# Altium PCB LPCB235R0.PcbDoc (part 4 of 7) (continued)
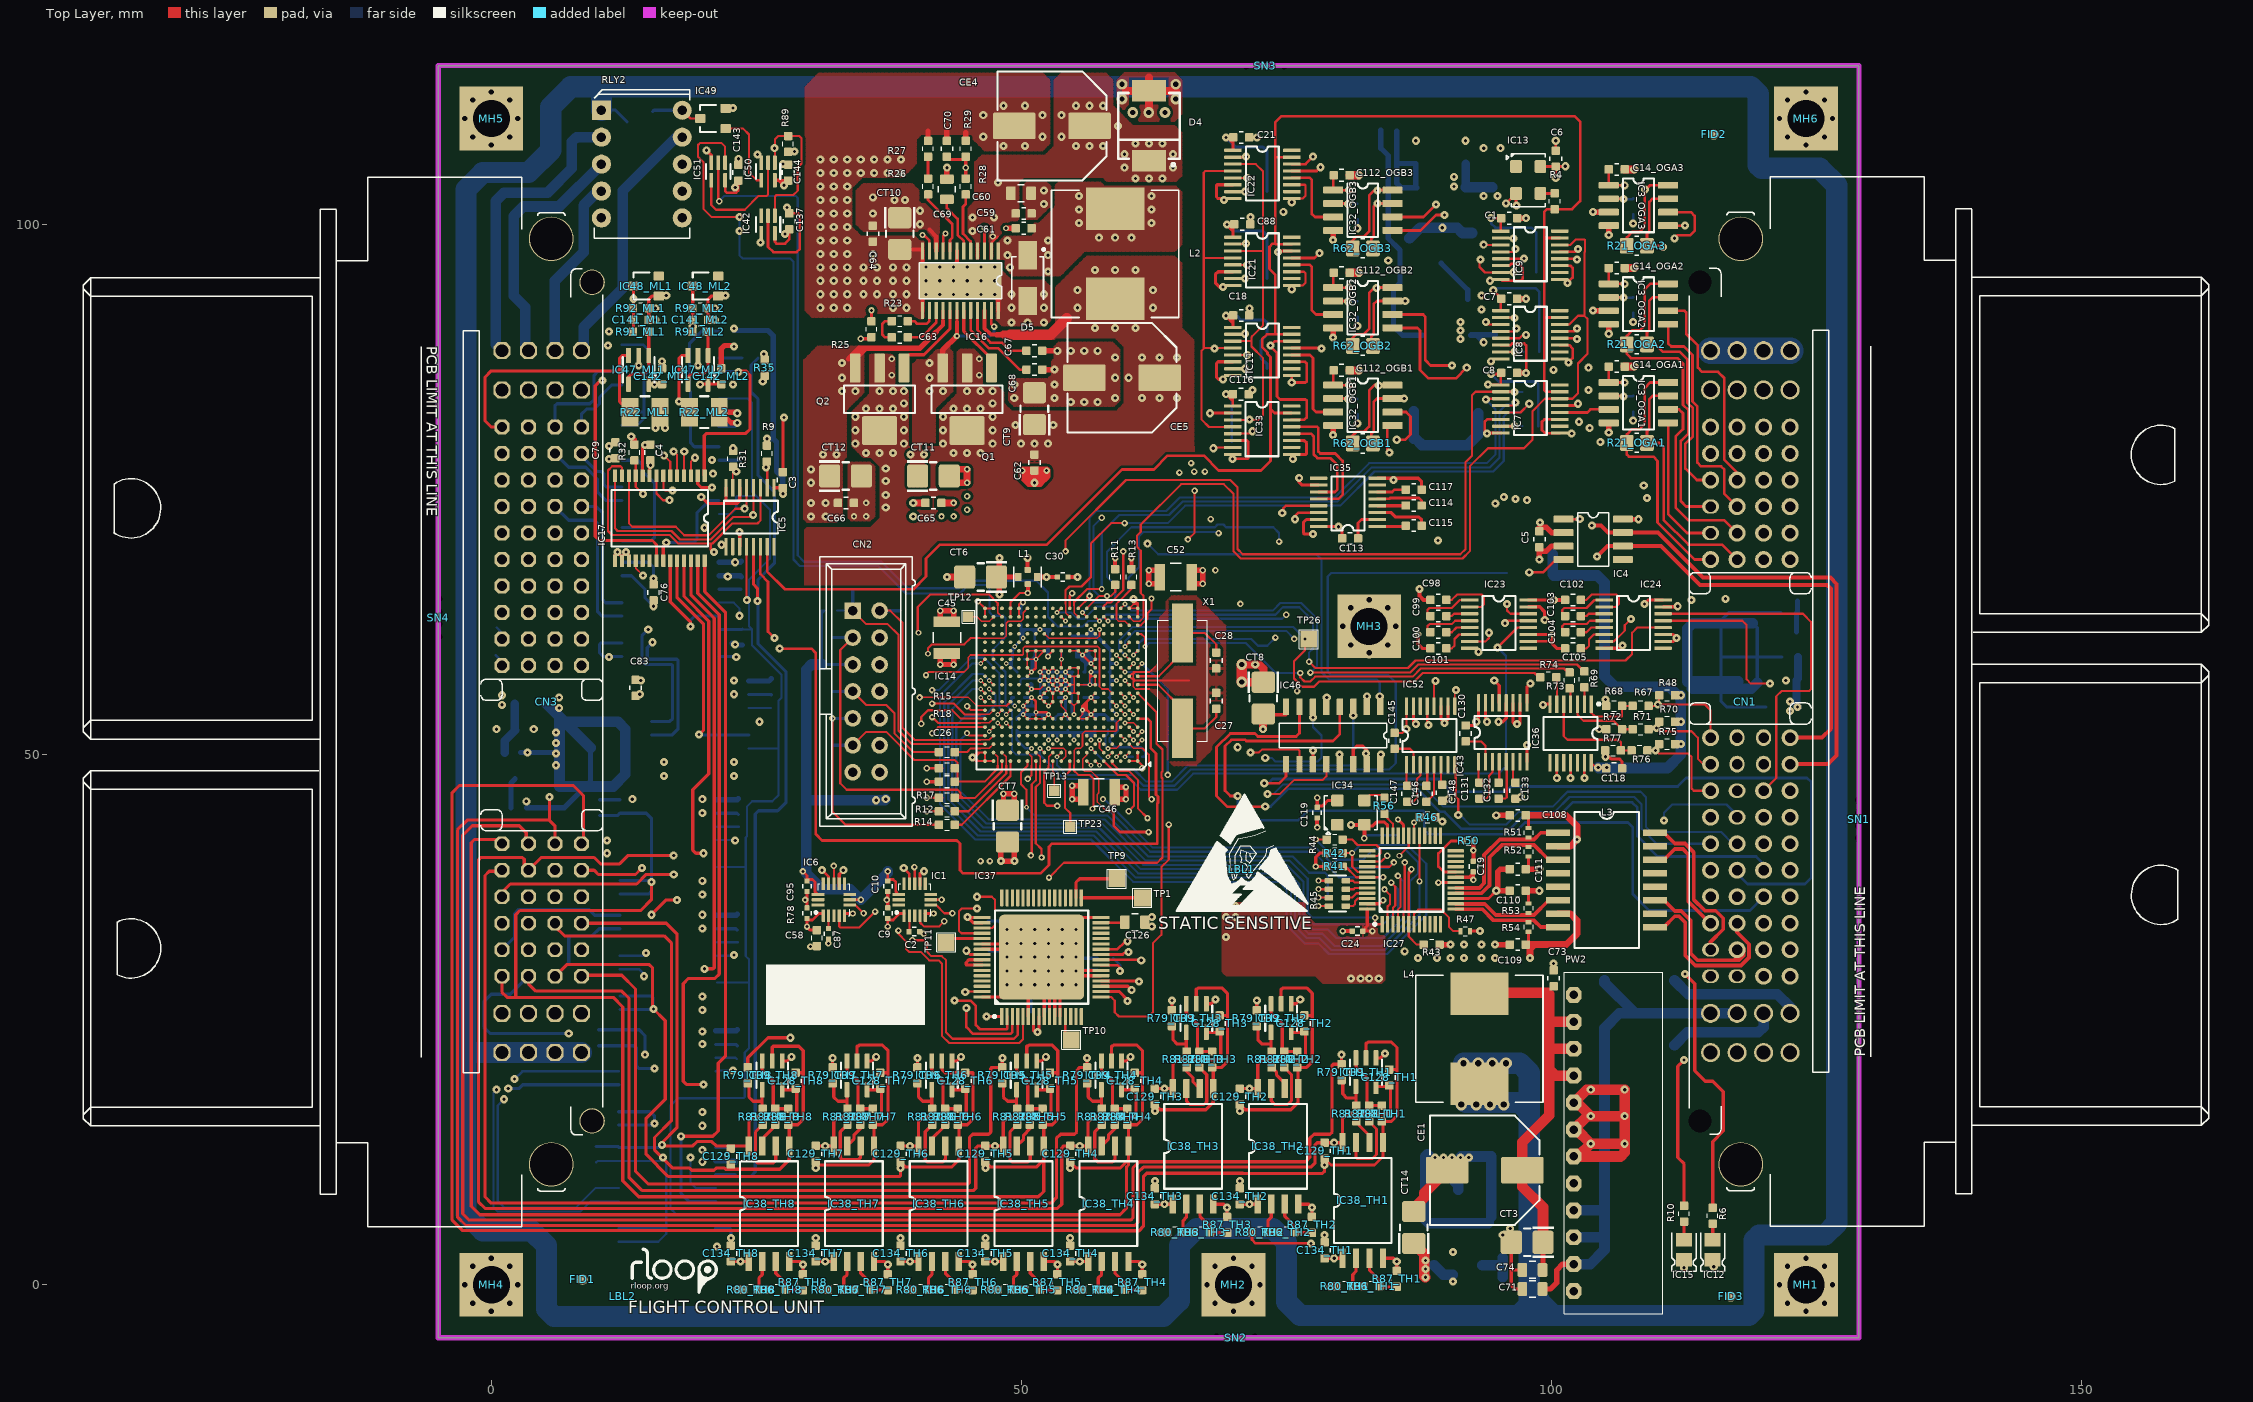
[diagram p0: Top Layer view]
## Nets (pads, with @x,y where several pads share a name; then routed paths per layer and width w, separated by ;. In a path a pad name is that pad's centre, name@x,y a point inside that pad or via, vN(x,y) a via of type N, cw(c..) or ccw(c..) an arc to the next point about the centre after c; other vN are vias at no path point) (continued)
  Bottom Layer w0.5: C139.2@2.75,50.2 v1(3.4,50.2) 6,50.2 v1(6.1,50.1) ; C138.2@3.35,45 6.9,45 8.9,47 9.359,47.459 IC45.4@9.359,50 IC45.4@9.359,50.641 ; IC40.2@21.175,11.675 22.875,11.675 C92.2@23,11.55 ; IC25.2@21.475,66.875 23.475,66.875 C23.2@23.6,66.75 ; IC18.8@21.475,81.055 22.955,81.055 v1(23.2,81.3) ; IC18.7@21.475,82.325 23.075,82.325 v1(23.2,82.2) ; v1@22.7,60.5 22.85,60.35 R30.1@23.7,60.35 ; IC2.4@89.6,96.341 92.1,93.841 C16.2@92.1,92.95
  Bottom Layer w0.508: v2(42.335,63.58) v2(43.605,63.58) ; v1(48.062,39.958) v1(49.332,39.958) ; v2(59.861,45.8) v2(59.861,46.943) ; v2(67.1,66.12) v2(67.1,67.39)
  Bottom Layer w1: CT2.2@5.2,54.8 6.55,53.45 ; IC45.4@9.359,50.641 6.9,53.1 ; 86.6,98.7 87.6,99.7 v1(89.7,99.7) 91.1,99.7 91.6,99.2 92.5,99.2 ; 87,82.4 87,79.8 87.176,79.8 87.776,79.2 92.1,79.2 93.1,80.2 93.1,82.2 ; IC20.4@91.2,8.959 91.2,9.4 88.3,12.3 88.1,12.1 88.1,6.131 88.431,5.8 94.017,5.8 94.093,5.876 ; v1(91.4,12) 91.5,12.1 94.3,12.1 94.3,6.4 ; 113.252,56.259 113.31,56.2 115.982,56.2 118.829,56.2 119.4,56.771 ; IC19.4@117.6,56.9 115.982,56.9 112.8,56.9 112.8,61.89 113.31,62.4 115.982,62.4 118.975,62.4 ; 6.55,53.45 6.9,53.1 ; 6.55,53.45 6.431,53.331 6.431,47 8.9,47 11.5,47 12.648,48.148 12.648,52.4 11.948,53.1 6.9,53.1
  other v1: 112.5,1.6 115.3,1.7 29.4,1.9 37.4,1.9 45.4,1.9 53.4,1.9 61.4,1.9 85.4,2.2 90.7,3.1 21.3,3.6 30.6,4.4 38.6,4.4 46.6,4.4 54.6,4.4 78.6,4.7 95.4,4.7 96.1,5.3 69.4,7.3 77.4,7.3 62.6,9.8 70.6,9.8 19.9,11.6 89,12 89.8,12 90.6,12 92.2,12 19.9,15 19.9,16.3 19.9,22.7 19.9,25.9 19.9,27.2 100.2,30.3 87.42,30.814 89.198,30.814 90.468,30.814 91.738,30.814 93.389,30.814 94.659,30.814 86.15,31.449 91.738,32.084 93.389,32.084 19.9,33.6 62.3,33.8 62.3,34.7 19.9,36.8 19.9,38.1 40.8,39 19.9,44.5 3.3,45.6 90.3,45.8 97.1,46 22.9,48 6.1,49 22.9,49.3 82.5,50.1 6.1,51.1 6.1,52.1 104.5,52.4 96.75,52.9 6.4,54.4 105.1,55.2 6.4,55.4 78.8,55.4 82.6,55.5 22.9,55.7 93.1,59.7 23,60.4 111.9,64 22.3,66.8 21.7,69.8 20.1,71.4 98.9,71.9 51.225,75.645 85.1,75.9 76.2,76.1 20.8,77.8 75.6,77.9 101.9,80.3 15.5,80.8 16.4,80.8 54.654,83.265 55.924,83.265 57.194,83.265 49.32,83.646 53.13,83.646 58.845,83.646 71.8,84.4 49.32,84.916 53.13,84.916 58.845,85.551 13.9,86.7 19.5,86.7 16.1,87.1 94.3,87.1 58.845,87.456 54.654,88.091 55.924,88.091 57.194,88.091 22.9,88.5 49.066,90.758 50.59,90.758 52.114,90.758 15.5,91 21.1,91 93.4,92 15.5,92.1 21.1,92.1 71.5,92.1 31.032,92.155 32.302,92.155 33.572,92.155 37.89,92.155 39.16,92.155 49.066,92.155 52.114,92.155 16.5,93.3 22.1,93.3 93.4,93.3 31.032,93.425 32.302,93.425 33.572,93.425 35.096,93.425 36.366,93.425 37.89,93.425 39.16,93.425 49.066,93.425 52.114,93.425 75.5,93.9 31.032,94.695 32.302,94.695 33.572,94.695 35.096,94.695 36.366,94.695 37.89,94.695 39.16,94.695 94.2,94.7 31.032,95.965 32.302,95.965 33.572,95.965 35.096,95.965 36.366,95.965 37.89,95.965 39.16,95.965 31.032,97.235 32.302,97.235 33.572,97.235 35.985,97.235 31.032,98.505 32.302,98.505 33.572,98.505 31.032,99.775 32.302,99.775 33.572,99.775 71.6,100.7 31.032,101.045 32.302,101.045 33.572,101.045 27.9,101.6 52.114,101.934 75.5,102.1 69.1,102.3 31.032,102.315 32.302,102.315 33.572,102.315 52.114,103.204 31.032,103.585 32.302,103.585 33.572,103.585 31.032,104.855 32.302,104.855 33.572,104.855 34.842,104.855 36.112,104.855 37.382,104.855 38.652,104.855 27.5,105.7 31.032,106.125 32.302,106.125 33.572,106.125 34.842,106.125 36.112,106.125 37.382,106.125 38.652,106.125 23.3,106.2 25.1,106.6 93.6,107.2 95.2,107.2 48.304,107.395 50.336,107.395 87.2,107.9 91.9,107.9 46.399,108.284 51.987,108.284 46.399,110.316 51.987,110.316 22.8,111 48.304,111.205 50.336,111.205
  other v2: 31.8,32.2 40.8,33.1 29.6,36.3 37.3,36.3 34.207,72.47 35.35,72.47 42.462,72.47 43.605,72.47 44.875,73.105 35.35,73.74 44.875,74.375
  other v5: 48.65,28.3 49.95,28.3 53.85,28.3 55.15,28.3 48.65,29.6 49.95,29.6 51.25,29.6 52.55,29.6 53.85,29.6 48.65,30.9 49.95,30.9 51.25,30.9 52.55,30.9 53.85,30.9 49.95,32.2 51.25,32.2 52.55,32.2 53.85,32.2 55.15,32.2 49.95,33.5 51.25,33.5 52.55,33.5 53.85,33.5 55.15,33.5
  other v7: 40.99,93.395 42.29,93.395 43.59,93.395 44.89,93.395 46.19,93.395 47.49,93.395 40.99,94.695 42.29,94.695 43.59,94.695 44.89,94.695 46.19,94.695 47.49,94.695 40.99,95.995 42.29,95.995 43.59,95.995 44.89,95.995 46.19,95.995 47.49,95.995
ETHERNET_RX_N: CN1.3H_B L3.9 | length 17.1
  Top Layer w0.356: L3.9@109.775,33.735 110.61,33.735 111.626,34.751 112.025,34.751 112.617,34.16 112.617,31.043 113.557,30.103 117.882,30.103 118.637,30.858 118.637,32.109 117.5,33.246 CN1.3H_B@117.5,34.1
ETHERNET_RX_P: CN1.3J_B L3.11 | length 14.6
  Top Layer w0.356: L3.11@109.775,36.275 110.61,36.275 111.626,35.259 112.236,35.259 113.125,34.37 113.125,31.253 113.767,30.611 117.671,30.611 118.103,31.043 118.103,31.703 CN1.3J_B@117.976,31.83 ; 117.189,30.611 117.5,30.922 CN1.3J_B@117.5,31.6
ETHERNET_TX_N: CN1.4H_B L3.14 | length 11.1
  Top Layer w0.356: L3.14@109.775,40.085 110.61,40.085 111.626,41.101 112.388,41.101 112.896,40.593 112.896,36.141 CN1.4H_B@114.968,34.068
ETHERNET_TX_P: CN1.4J_B L3.16 | length 15.8
  Top Layer w0.356: L3.16@109.775,42.625 110.61,42.625 111.626,41.609 112.599,41.609 113.404,40.803 113.404,36.351 114.471,35.284 115.487,35.284 116.198,34.573 116.198,33.532 115,32.334 CN1.4J_B@115,31.6
FRONT_SIG_Q2: IC36.5 R76.2 R77.2 | length 10.4
  Top Layer w0.203: IC36.5@101.15,54.775 101.15,51.75 101.5,51.4 106.3,51.4 106.55,51.15 R77.2@106.55,50.4 R76.2@107.55,50.4
G1_DIR_OUT: CN3.4B_B
G1_STEP_OUT: CN3.4A_B
G2_DIR_OUT: CN3.4D_B
G2_STEP_OUT: CN3.4C_B
G3_DIR_OUT: CN3.4F_B
G3_STEP_OUT: CN3.4E_B
G4_DIR_OUT: CN3.3B_B
G4_STEP_OUT: CN3.3A_B
HE_THROTTLE1: IC37.26 R80_TH1.2 | length 65.4
  Top Layer w0.25: IC37.26@57.5,31.65 59.05,31.65 59.7,32.3 v1@60.1,32.3
  MidLayer2 w0.25: v1(60,32.4) 63.7,32.4 64.4,31.7 64.4,30.3 64.7,30 78.9,30 79.3,29.6 79.3,24.5 79.8,24 85.3,24 85.6,23.7 85.6,19.7 85.4,19.5 81.1,19.5 80.5,18.9 80.5,16.4 80.5,0.5 79.8,-0.2 v1(79.1,-0.2)
HE_THROTTLE2: IC37.25 R80_TH2.2 | length 53.5
  Top Layer w0.25: IC37.25@57.5,31.15 59.55,31.15 v1@59.9,31.5 ; R80_TH2.2@71.745,4.95 71.745,4.255 72.1,3.9 v1(77.3,3.9)
  MidLayer2 w0.25: v1@59.9,31.5 63.8,31.5 63.972,31.328 63.972,29.728 64.128,29.572 72.928,29.572 73.4,29.1 73.4,25.8 72.6,25 72.6,5.8 73.4,5 76.2,5 v1(77.3,3.9)
  other v1: 60.1,31.4
HE_THROTTLE3: IC37.24 R80_TH3.2 | length 34.1
  Top Layer w0.25: IC37.24@57.5,30.65 v1@61.3,30.65
  MidLayer2 w0.25: v1@61.3,30.65 63.25,30.65 63.5,30.4 63.5,29.45 64.25,28.7 64.7,28.7 65.1,28.3 65.1,5.7 64.3,4.9 v1(63.1,4.9)
  other v1: 61.3,30.6
HE_THROTTLE4: IC37.20 R80_TH4.2 | length 40.9
  Top Layer w0.3: IC37.20@57.5,28.65 60.85,28.65 v1@61.1,28.4
  MidLayer2 w0.25: v1(55.1,-0.5) 61.7,-0.5 62.5,0.3 62.5,3.2 61.7,4 61.7,19.1 62.7,20.1 62.7,26.8 v1@61.1,28.4
  other v1: 61.1,28.6
HE_THROTTLE5: IC37.19 R80_TH5.2 | length 45.4
  Top Layer w0.3: IC37.19@57.5,28.15 60.05,28.15 v1@60.5,27.7
  MidLayer2 w0.25: v1(47.1,-0.4) 48,0.5 59.9,0.5 60.3,0.9 60.3,18.8 62.2,20.7 62.2,26 v1(60.4,27.8)
HE_THROTTLE6: IC37.18 R80_TH6.2 | length 51.5
  Top Layer w0.3: IC37.18@57.5,27.65 59.25,27.65 60,26.9 v1@60,26.6
  MidLayer2 w0.25: v1(39.2,-0.4) 39.2,0.2 39.5,0.5 46.8,0.5 47.3,1 59.272,1 59.872,1.6 59.872,19.272 61.6,21 61.6,25.15 v1(60,26.75)
HE_THROTTLE7: IC37.51 R80_TH7.2 | length 83.7
  Top Layer w0.203: v1(45.8,36.6) 47.2,36.6 47.5,36.3 47.5,33.9 47.25,33.65 IC37.51@46.3,33.65
  MidLayer2 w0.203: v1(31.1,-0.4) 31.1,0.2 31.4,0.5 38.4,0.5 38.9,1 46.1,1 46.5,1.4 46.5,2.9 46.7,3.1 58.8,3.1 59.2,3.5 59.2,25.6 58.3,26.5 58.3,36.8 57.4,37.7 46.5,37.7 45.8,37 v1(45.8,36.6)
HE_THROTTLE8: IC37.52 R80_TH8.2 | length 91.1
  Top Layer w0.203: v1(45.8,35.5) 44.4,35.5 44.1,35.2 44.1,33.4 44.35,33.15 IC37.52@46.3,33.15
  MidLayer2 w0.203: v1(23.2,-0.4) 23.2,0 23.4,0.2 29.8,0.2 30.6,1 38.2,1 38.5,1.3 38.5,2.8 38.8,3.1 45.5,3.1 46,3.6 58.3,3.6 58.819,4.119 58.819,25.381 57.8,26.4 57.8,36.5 57.1,37.2 46.9,37.2 46.7,37 46.7,35.7 46.5,35.5 v1(45.8,35.5)
HEC1_RS485_A: CN3.4K_B IC18.12 | length 6.5
  Bottom Layer w0.3: CN3.4K_B@8.5,80.9 8.5,82.1 9,82.6 9.7,82.6 10.2,83.1 10.2,83.7 11.365,84.865 IC18.12@12.325,84.865
HEC1_RS485_B: CN3.3K_B IC18.13 | length 11
  Bottom Layer w0.3: CN3.3K_B@6,80.9 6,82.9 6.2,83.1 9.3,83.1 9.7,83.5 9.7,85.8 10.035,86.135 IC18.13@12.325,86.135
HEC2_RS485_A: CN3.3J_B IC26.12 | length 8.9
  Bottom Layer w0.3: CN3.3J_B@6,78.4 7.3,77.1 8.9,77.1 10,76 10,74.8 10.835,73.965 IC26.12@12.325,73.965
HEC2_RS485_B: CN3.4J_B IC26.13 | length 5.8
  Bottom Layer w0.3: CN3.4J_B@8.5,78.4 8.5,78.2 10,76.7 10.4,76.7 10.6,76.5 10.6,75.5 10.865,75.235 IC26.13@12.325,75.235
HEC3_RS485_A: CN3.3G_B IC25.12 | length 15.5
  Bottom Layer w0.3: CN3.3G_B@6,73.4 7.3,72.1 9.7,72.1 10.022,71.778 10.022,63.478 10.435,63.065 IC25.12@12.325,63.065
HEC3_RS485_B: CN3.4G_B IC25.13 | length 12.4
  Bottom Layer w0.3: CN3.4G_B@8.5,73.4 9.9,73.4 10.5,72.8 10.5,64.6 10.765,64.335 IC25.13@12.325,64.335
HEC4_RS485_A: CN3.3H_B IC28.12 | length 36.9
  MidLayer2 w0.3: CN3.3H_B@5.9,75.8 7.1,74.6 9.6,74.6 9.8,74.4 9.8,61.8 10.391,61.209 13.391,61.209 14,60.6 v1(15.2,60.6)
  Bottom Layer w0.3: IC28.12@15.125,51.865 17.065,51.865 17.6,52.4 17.6,58.9 17.5,59 14.9,59 14.7,59.2 14.7,60.1 v1(15.2,60.6) v1@15.3,60.7
HEC4_RS485_B: CN3.4H_B IC28.13 | length 33.2
  MidLayer2 w0.3: CN3.4H_B@8.5,75.9 10,75.9 10.4,75.5 10.4,62.4 11,61.8 v1(14.8,61.8)
  Bottom Layer w0.3: v1(14.8,61.8) 14.2,61.2 14.2,58.8 14.5,58.5 17,58.5 17.1,58.4 17.1,53.4 16.835,53.135 IC28.13@15.125,53.135
HEC5_RS485_A: CN3.1F_B IC29.12 | length 48.3
  MidLayer2 w0.25: CN3.1F_B@1,70.9 -0.1,70.9 -0.8,70.2 -0.8,38.2 -0.5,37.9 10.2,37.9 10.7,38.4 10.7,40.5 v1(10.9,40.7)
HEC5_RS485_B: CN3.2F_B IC29.13 | length 45.8
  MidLayer2 w0.25: CN3.2F_B@3.5,70.9 3.5,70.6 2.6,69.7 0,69.7 -0.3,69.4 -0.3,40.8 0.1,40.4 9.7,40.4 9.8,40.5 9.8,41.5 10.2,41.9 v1(10.9,41.9)
HEC6_RS485_A: CN3.1G_B IC31.12 | length 68.1
  MidLayer2 w0.25: CN3.1G_B@1,73.5 -1.5,73.5 -1.9,73.1 -1.9,27.9 -1.5,27.5 12.3,27.5 13.9,29.1 v1(14.4,29.1)
  Bottom Layer w0.25: IC31.12@12.125,29.765 13.935,29.765 14.4,29.3 v1(14.4,29.1)
HEC6_RS485_B: CN3.2G_B IC31.13 | length 65.9
  MidLayer2 w0.25: CN3.2G_B@3.55,73.35 2.3,72.1 -0.9,72.1 -1.4,71.6 -1.4,30.4 -1.3,30.3 11.6,30.3 12.6,31.3 v1(14.6,31.3)
  Bottom Layer w0.25: IC31.13@12.125,31.035 14.335,31.035 v1(14.6,31.3)
HEC7_RS485_A: CN3.1H_B IC30.12 | length 75.6
  MidLayer2 w0.25: CN3.1H_B@1,76 -2.2,76 -3,75.2 -3,19.6 -2.6,19.2 0.9,19.2 v1(1.6,18.5)
  Bottom Layer w0.3: v1(1.6,18.5) 2.6,18.5 2.965,18.865 IC30.12@12.025,18.865
HEC7_RS485_B: CN3.2H_B IC30.13 | length 76.2
  MidLayer2 w0.25: v1(2.2,19.4) 1.9,19.4 1.5,19.8 -2.2,19.8 -2.5,20.1 -2.5,74.4 -2.2,74.7 2.3,74.7 CN3.2H_B@3.5,75.9
  Bottom Layer w0.25: v1@2.1,19.3 v1(2.2,19.4) 2.935,20.135 IC30.13@12.025,20.135
HEC8_RS485_A: CN3.2J_B IC40.12 | length 93.5
  MidLayer2 w0.203: v1(0.5,18.4) -2.9,18.4 -3.6,19.1 -3.6,76.8 -3.2,77.2 2.3,77.2 CN3.2J_B@3.5,78.4
  Bottom Layer w0.203: v1(0.5,18.4) 0.2,18.1 0.2,7.3 0.6,6.9 8.4,6.9 9.365,7.865 IC40.12@12.025,7.865
HEC8_RS485_B: CN3.1J_B IC40.13 | length 92.7
  MidLayer2 w0.203: CN3.1J_B@1,78.3 -3.5,78.3 -4,77.8 -4,18 -3.5,17.5 v1(1.2,17.5)
  Bottom Layer w0.203: v1(1.2,17.5) 0.6,16.9 0.6,7.9 1.2,7.3 8,7.3 9.835,9.135 IC40.13@12.025,9.135
HEC_5V1: C75.1 C128_TH1.1 C129_TH1.1 CN3.2A_A IC18.16 IC38_TH1.8 IC39_TH1.5 | length 218.8
  Top Layer w0.3: v1(5.5,46) 5.478,45.978 5.478,43.822 ; CN3.2A_A@6,41.6 6,43.3 5.478,43.822 ; IC39_TH1.5@83.445,18.7 84.595,18.7 C128_TH1.1@84.695,18.8 84.8,18.695 84.8,16.3 ; 84.8,17.2 84.8,16.3 ; 5.478,43.822 -2.278,43.822 -3.2,42.9 -3.2,6.4 -2.387,5.587 55.092,5.587 55.1,5.578 60.678,5.578 61,5.9 61,10.6 61.5,11.1 77.3,11.1 77.7,11.5 77.7,13.2 77.9,13.4 C129_TH1.1@78.595,13.4 v1(79.5,13.4) IC38_TH1.8@80.29,13.4 80.29,15.69 80.728,16.128 84.628,16.128 84.8,16.3
  MidLayer1 w0.25: v1(5.5,46) 5.1,46.4 -2.7,46.4 -3.7,47.4 -3.7,81.7 -3.1,82.3 2.2,82.3 2.7,82.8 9.5,82.8 9.816,83.116 9.816,89.516 10.2,89.9 v1(11.1,89.9)
HEC_5V2: C79.1 C128_TH2.1 C129_TH2.1 CN3.2B_A IC26.16 IC38_TH2.8 IC39_TH2.5 | length 224.7
  Top Layer w0.3: C129_TH2.1@70.595,18.5 v1(71.5,18.5) IC38_TH2.8@72.29,18.5 72.29,20.79 72.728,21.228 76.628,21.228 76.8,21.4 ; IC39_TH2.5@75.445,23.8 76.595,23.8 C128_TH2.1@76.695,23.9 76.8,23.795 76.8,21.4 ; 76.8,22.3 76.8,21.4
  MidLayer1 w0.3: CN3.2B_A@6,39.1 6,38.9 7.1,37.8 9.2,37.8 10,38.6 10,46.5 8.8,47.7 -2.3,47.7 -2.7,48.1 -2.7,76.7 -2.2,77.2 1.9,77.2 2.2,77.5 2.2,79 2.9,79.7 9.6,79.7 10.2,79.1 v1(11.1,79.1) ; CN3.2B_A@6.3,39.2 4.7,40.8 4.7,42.9 3.978,43.622 -2.078,43.622 -3.1,42.6 -3.1,6.3 -2.4,5.6 60.6,5.6 61.3,6.3 71.8,6.3 72.4,6.9 72.4,10.1 71.8,10.7 70.582,10.7 69.891,11.391 69.891,17.991 70.4,18.5 v1(71.5,18.5)
HEC_5V3: C76.1 C128_TH3.1 C129_TH3.1 CN3.4C_A IC25.16 IC38_TH3.8 IC39_TH3.5 | length 171.2
  Top Layer w0.3: CN3.4C_A@1,36.6 1,37 1.8,37.8 13.702,37.8 14.611,38.709 v1(17.209,38.709) v1@17.3,38.8 ; C129_TH3.1@62.595,18.5 v1(63.5,18.5) IC38_TH3.8@64.29,18.5 64.29,20.79 64.728,21.228 68.628,21.228 68.8,21.4 ; IC39_TH3.5@67.445,23.8 68.595,23.8 C128_TH3.1@68.695,23.9 68.8,23.795 68.8,21.4 ; 68.8,22.3 68.8,21.4
  MidLayer1 w0.3: CN3.4C_A@1,36.6 -0.5,36.6 -1.3,35.8 -1.3,7.8 -0.7,7.2 59.5,7.2 61.8,9.5 61.8,18.1 62.2,18.5 v1(63.5,18.5)
  MidLayer2 w0.3: v1(15.3,66.6) 15.3,65.8 16.1,65 16.1,62.7 16.9,61.9 16.9,59.6 18.8,57.7 18.8,39.2 18.309,38.709 v1(17.209,38.709)
  Bottom Layer w0.3: IC25.16@12.325,68.145 14.855,68.145 15.3,67.7 v1(15.3,66.6)
HEC_5V4: C83.1 C128_TH4.1 C129_TH4.1 CN3.3B_A IC28.16 IC38_TH4.8 IC39_TH4.5 | length 148.1
  Top Layer w0.3: v1(17.2,40.5) 12.9,40.5 12.1,39.7 10.3,39.7 9.7,40.3 4.7,40.3 CN3.3B_A@3.5,39.1 3.1,39.5 3.1,40.128 2.928,40.3 -1,40.3 -1.2,40.1 -1.2,7.8 -0.6,7.2 53.4,7.2 53.8,7.6 53.8,12.9 54,13.1 C129_TH4.1@54.595,13.1 v1(55.5,13.1) IC38_TH4.8@56.29,13.1 56.29,15.39 56.728,15.828 60.628,15.828 60.8,16 ; IC39_TH4.5@59.445,18.4 60.595,18.4 C128_TH4.1@60.695,18.5 60.8,18.395 60.8,16 ; 60.8,16.9 60.8,16
  MidLayer2 w0.3: v1(14.1,57) 17.2,57 17.7,56.5 17.7,41 v1(17.2,40.5) 17.1,40.4 v1@17,40.4
HEC_5V5: C86.1 C128_TH5.1 C129_TH5.1 CN3.3F_A IC29.16 IC38_TH5.8 IC39_TH5.5 | length 130.2
  Top Layer w0.3: CN3.3F_A@3.5,29.1 3.5,28.4 4.2,27.7 12.3,27.7 13,27 13,10.1 14.2,8.9 45.5,8.9 45.7,9.1 45.7,12.9 45.9,13.1 C129_TH5.1@46.595,13.1 v1(47.5,13.1) IC38_TH5.8@48.29,13.1 48.29,15.39 48.728,15.828 52.628,15.828 52.8,16 ; IC39_TH5.5@51.445,18.4 52.595,18.4 C128_TH5.1@52.695,18.5 52.8,18.395 52.8,16 ; 52.8,16.9 52.8,16
  MidLayer2 w0.3: v1(7.3,23.7) 15.8,23.7 16.1,24 16.1,36.8 15.809,37.091 15.809,39.509 16.1,39.8 16.1,45.2 15.5,45.8 v1@13.5,45.8
  Bottom Layer w0.3: CN3.3F_A@3.5,29.1 1.8,27.4 0,27.4 -0.7,26.7 -0.7,24.3 -0.1,23.7 v1(7.3,23.7) ; C86.1@10.2,45.75 12.12,45.75 IC29.16@12.125,45.745
  other v1: 13.3,45.8
HEC_5V6: C93.1 C128_TH6.1 C129_TH6.1 CN3.4E_A IC31.16 IC38_TH6.8 IC39_TH6.5 | length 92.3
  Top Layer w0.3: C129_TH6.1@38.595,13.1 v1(39.5,13.1) IC38_TH6.8@40.29,13.1 40.29,15.39 40.728,15.828 44.628,15.828 44.8,16 ; IC39_TH6.5@43.445,18.4 44.595,18.4 C128_TH6.1@44.695,18.5 44.8,18.395 44.8,16 ; 44.8,16.9 44.8,16
  MidLayer1 w0.3: CN3.4E_A@1,31.6 1,30.872 1.572,30.3 1.9,30.3 2.3,29.9 2.3,27.7 2.9,27.1 10.6,27.1 11.7,26 11.7,9.3 12.6,8.4 39.4,8.4 39.9,8.9 39.9,11.2 39.5,11.6 v1(39.5,13.1)
  Bottom Layer w0.3: CN3.4E_A@1,31.6 2.2,32.8 2.2,35 2.6,35.4 9.2,35.4 9.755,34.845 IC31.16@12.125,34.845
HEC_5V7: C90.1 C128_TH7.1 C129_TH7.1 CN3.1E_A IC30.16 IC38_TH7.8 IC39_TH7.5 | length 67
  Top Layer w0.3: C129_TH7.1@30.595,13.1 v1(31.5,13.1) IC38_TH7.8@32.29,13.1 32.29,15.39 32.728,15.828 36.628,15.828 36.8,16 ; IC39_TH7.5@35.445,18.4 36.595,18.4 C128_TH7.1@36.695,18.5 36.8,18.395 36.8,16 ; 36.8,16.9 36.8,16
  MidLayer1 w0.3: CN3.1E_A@8.5,31.4 11.8,31.4 13.5,29.7 13.5,21.7 ; v1(14.5,21.7) 13.5,21.7 ; v1(31.5,13.1) 31.5,12 31.7,11.8 31.7,10.4 31.4,10.1 14,10.1 13.5,10.6 13.5,21.7
  Bottom Layer w0.3: C90.1@10.1,24.05 13.95,24.05 14.5,23.5 v1(14.5,21.7)
HEC_5V8: C94.1 C128_TH8.1 C129_TH8.1 CN3.1D_A IC38_TH8.8 IC39_TH8.5 IC40.16 | length 57.2
  Top Layer w0.3: CN3.1D_A@8.3,34.1 16.5,34.1 17.5,33.1 17.5,14.8 16,13.3 16,13.1 19,13.1 19.4,13.5 20.8,13.5 21.2,13.1 ; 21.4,13.1 21.2,13.1 ; IC39_TH8.5@27.445,18.4 28.595,18.4 C128_TH8.1@28.695,18.5 28.8,18.395 28.8,16 ; 28.8,16.9 28.8,16 ; 21.2,13.1 IC38_TH8.8@24.29,13.1 24.29,15.39 24.728,15.828 28.628,15.828 28.8,16
  Bottom Layer w0.3: C94.1@9.9,13.05 11.92,13.05 IC40.16@12.025,12.945 15.845,12.945 v1(16.1,13.2)
HEC_DE1: IC17.21 IC18.5 | length 35.4
  Top Layer w0.3: v1@10.3,85.3 9.8,84.8 9.8,70.6 10.2,70.2 15.2,70.2 15.575,69.825 IC17.21@15.575,68.3
  MidLayer2 w0.3: v1(10.5,85.3) 13.2,85.3 13.7,85.8 21.5,85.8 22.4,84.9 v1(22.8,84.9)
HEC_DE2: IC17.22 IC26.5 | length 10.1
  Top Layer w0.3: IC17.22@16.225,68.3 16.225,69.625 v1@16.7,70.1
  Bottom Layer w0.3: v1(16.5,70) 19.1,70 19.391,70.291 19.391,72.791 20.565,73.965 IC26.5@21.475,73.965
HEC_DE3: IC17.23 IC25.5 | length 10.4
  Top Layer w0.3: IC17.23@16.875,68.3 16.875,64.425 18.8,62.5 v1(18.8,62.1)
  Bottom Layer w0.3: v1(18.8,62.1) 18.8,62.7 19.165,63.065 IC25.5@21.475,63.065
HEC_DE4: IC17.24 IC28.5 | length 22.3
  Top Layer w0.3: IC17.24@17.525,68.3 17.525,64.797 20.022,62.3 20.022,52.322 v1(19.6,51.9)
  Bottom Layer w0.3: v1(19.6,51.9) 19.635,51.865 IC28.5@24.275,51.865
HEC_DE5: IC17.25 IC29.5 | length 30
  Top Layer w0.3: IC17.25@18.175,68.3 18.175,64.925 20.5,62.6 20.5,48.2 19,46.7 19,41 19.3,40.7 v1(20,40.7)
HEC_DE6: IC17.26 IC31.5 | length 40.3
  Top Layer w0.3: IC17.26@18.825,68.3 18.825,65.075 21.022,62.878 21.022,29.9 20.922,29.8 v1(20.1,29.8)
HEC_DE7: IC17.27 IC30.5 | length 54.8
  Top Layer w0.3: IC17.27@19.475,68.3 19.475,65.225 21.5,63.2 21.5,29.3 21.1,28.9 18.6,28.9 18.1,28.4 18.1,19.2 18.4,18.9 v1(20,18.9)
HEC_DE8: IC17.28 IC40.5 | length 67.9
  Top Layer w0.3: v1(17.9,14) 20.9,14 21.4,14.5 21.4,20.9 22.1,21.6 ; IC17.28@20.125,68.3 20.125,65.375 22.1,63.4 22.1,21.6 ; 22.1,21.9 22.1,21.6
  Bottom Layer w0.3: v1(17.9,14) 17.9,8.6 18.635,7.865 IC40.5@21.175,7.865
HEC_GND1: C75.2 C128_TH1.2 C129_TH1.2 CN3.1A_A IC18.9 IC18.10 IC18.15 IC38_TH1.5 IC39_TH1.2 R88_TH1.1 | length 254.2
  Top Layer w0.3: CN3.1A_A@8.5,41.6 8.7,41.8 8.7,43.4 8.7,46.1 7.7,47.1 -3,47.1 -3.7,46.4 -3.7,43.4 -3.7,6.1 -2.709,5.109 54.894,5.109 54.902,5.1 61.1,5.1 61.5,5.5 61.5,10.2 61.809,10.509 70.894,10.509 70.902,10.5 78.4,10.5 78.6,10.7 v1(78.6,11.3) ; C129_TH1.2@78.595,11.9 79.195,11.3 83.3,11.3 84.1,12.1 IC38_TH1.5@84.1,13.4 84.1,15.295 R88_TH1.1@83.995,15.4 84.9,15.4 85.423,15.923 85.423,20.3 ; IC39_TH1.2@82.495,21.4 82.495,22.795 82.595,22.795 82.7,22.9 84.9,22.9 85.423,22.377 85.423,20.3 ; C128_TH1.2@84.695,20.3 85.423,20.3
  MidLayer1 w0.25: CN3.1A_A@8.5,41.6 8.5,46.2 7.6,47.1 -2.5,47.1 -3.2,47.8 -3.2,79.2 -2.7,79.7 1.9,79.7 2.3,80.1 2.3,81.6 2.9,82.2 10.7,82.2 11.3,82.8 11.3,87.6
  MidLayer1 w0.3: v1(11,88.6) 11,87.9 11.3,87.6
  Bottom Layer w0.25: IC18.9@12.325,81.055 13.755,81.055 14.4,81.7 14.4,82.4 ; IC18.10@12.325,82.325 14.325,82.325 14.4,82.4 ; IC18.15@12.325,88.675 14.325,88.675 14.8,88.2 14.8,86.1 14.4,85.7 14.4,82.4
HEC_GND2: C79.2 C128_TH2.2 C129_TH2.2 CN3.1B_A IC26.9 IC26.10 IC26.15 IC38_TH2.5 IC39_TH2.2 R88_TH2.1 | length 245
  Top Layer w0.3: CN3.1B_A@8.5,39.1 9.7,39.1 10.1,38.7 13.6,38.7 v1(14.2,39.3) ; C129_TH2.2@70.595,17 71.095,16.5 75.4,16.5 76.1,17.2 IC38_TH2.5@76.1,18.5 76.1,20.395 R88_TH2.1@75.995,20.5 76.9,20.5 77.423,21.023 77.423,25.4 ; IC39_TH2.2@74.495,26.5 74.495,27.895 74.595,27.895 74.7,28 76.9,28 77.423,27.477 77.423,25.4 ; C128_TH2.2@76.695,25.4 77.423,25.4
  MidLayer1 w0.3: CN3.1B_A@8.5,39.1 8.5,39.6 7.3,40.8 7.3,43.7 6.9,44.1 -2.8,44.1 -3.6,43.3 -3.6,6 -2.709,5.109 54.894,5.109 54.902,5.1 61.1,5.1 61.8,5.8 72.2,5.8 73,6.6 73,10.5 72.1,11.4 71.1,11.4 70.6,11.9 v1(70.6,16.4) ; v1(11.1,77.9) 10.8,77.9 10,77.1 2.9,77.1 2.3,76.5 2.3,56.7 2.5,56.5 10.6,56.5 11.609,55.491 11.609,39.391 11.7,39.3 v1@14.1,39.3
  Bottom Layer w0.3: IC26.9@12.325,70.155 15.055,70.155 15.4,70.5 15.4,71.4 ; IC26.10@12.325,71.425 15.375,71.425 15.4,71.4 ; IC26.15@12.325,77.775 13.825,77.775 14.2,77.4 14.2,76.8 15.4,75.6 15.4,71.4
HEC_GND3: C76.2 C128_TH3.2 C129_TH3.2 CN3.3C_A IC25.9 IC25.10 IC25.15 IC38_TH3.5 IC39_TH3.2 R88_TH3.1 | length 199.7
  Top Layer w0.3: v1(15.1,34.9) 16.5,36.3 v1(17.5,36.3) ; C129_TH3.2@62.595,17 63.095,16.5 67.4,16.5 68.1,17.2 IC38_TH3.5@68.1,18.5 68.1,20.395 R88_TH3.1@67.995,20.5 68.9,20.5 69.423,21.023 69.423,25.4 ; IC39_TH3.2@66.495,26.5 66.495,27.895 66.595,27.895 66.7,28 68.9,28 69.423,27.477 69.423,25.4 ; C128_TH3.2@68.695,25.4 69.423,25.4
  MidLayer1 w0.3: CN3.3C_A@3.4,36.4 3.4,37.3 2.7,38 -0.9,38 -1.9,37 -1.9,7.4 -1.2,6.7 59.9,6.7 61.6,8.4 63.2,8.4 64,9.2 64,12.1 62.6,13.5 v1(62.6,16.4)
  MidLayer2 w0.3: CN3.3C_A@3.5,36.6 4.8,35.3 11.1,35.3 11.5,34.9 v1(15.1,34.9) ; v1(15.3,64) 15.3,62.6 16,61.9 16,59.5 15.7,59.2 v1(11.1,59.2) 12.3,58 17.4,58 18.2,57.2 18.2,40.2 17.7,39.7 16.9,39.7 16.4,39.2 16.4,37.4 v1(17.5,36.3)
  Bottom Layer w0.3: IC25.9@12.325,59.255 10.545,59.255 10.2,59.6 10.2,60.4 10.325,60.525 IC25.10@12.325,60.525 ; IC25.15@12.325,66.875 13.225,66.875 14.5,65.6 14.5,64.8 v1(15.3,64)
HEC_GND4: C83.2 C128_TH4.2 C129_TH4.2 CN3.4A_A IC28.9 IC28.10 IC28.15 IC38_TH4.5 IC39_TH4.2 R88_TH4.1 | length 157.9
  Top Layer w0.3: CN3.4A_A@1,41.6 0.6,42 -1.6,42 -1.9,41.7 -1.9,7.4 -1.1,6.6 59.3,6.6 59.9,7.2 59.9,11.1 60.1,11.3 60.1,11.8 ; C129_TH4.2@54.595,11.6 55.195,11 59.3,11 60.1,11.8 ; IC39_TH4.2@58.495,21.1 58.495,22.495 58.595,22.495 58.7,22.6 60.9,22.6 61.423,22.077 61.423,20 ; C128_TH4.2@60.695,20 61.423,20 ; 60.1,11.8 IC38_TH4.5@60.1,13.1 60.1,14.995 R88_TH4.1@59.995,15.1 60.9,15.1 61.423,15.623 61.423,20
  MidLayer2 w0.3: CN3.4A_A@1,41.6 1,42.7 1.3,43 11.4,43 12.1,43.7 12.1,47.2 12.9,48 v1(16.3,48) v1(16.3,49.3) 16.3,55.4 16,55.7 v1(14,55.7)
  other v1: 54.6,11
HEC_GND5: C86.2 C128_TH5.2 C129_TH5.2 CN3.4F_A IC29.9 IC29.10 IC29.15 IC38_TH5.5 IC39_TH5.2 R88_TH5.1 | length 140.7
  Top Layer w0.3: CN3.4F_A@1,29.1 1,27.6 1.5,27.1 2.3,27.1 ; v1(15.1,38) 15.1,36.3 14.1,35.3 2.7,35.3 2.3,34.9 2.3,27.1 ; 17.4,8.3 13.9,8.3 ; C129_TH5.2@46.595,11.6 47.095,11.1 51.4,11.1 52.1,11.8 ; IC39_TH5.2@50.495,21.1 50.495,22.495 50.595,22.495 50.7,22.6 52.9,22.6 53.423,22.077 53.423,20 ; C128_TH5.2@52.695,20 53.423,20 ; 2.3,27.1 11.5,27.1 12.4,26.2 12.4,9.8 13.9,8.3 ; 13.9,8.3 51.6,8.3 52.1,8.8 52.1,11.8 ; 52.1,11.8 IC38_TH5.5@52.1,13.1 52.1,14.995 R88_TH5.1@51.995,15.1 52.9,15.1 53.423,15.623 53.423,20
  Bottom Layer w0.3: C86.2@10.2,44.25 11.9,44.25 IC29.15@12.125,44.475 14.625,44.475 15.1,44 v1(15.1,38) ; IC29.9@12.125,36.855 14.855,36.855 15.1,37.1 v1(15.1,38) ; IC29.10@12.125,38.125 14.975,38.125 v1(15.1,38)
  other v1: 46.6,11
HEC_GND6: C93.2 C128_TH6.2 C129_TH6.2 CN3.2F_A IC31.9 IC31.10 IC31.15 IC38_TH6.5 IC39_TH6.2 R88_TH6.1 | length 90.3
  Top Layer w0.3: CN3.2F_A@6,29.1 7.1,30.2 14.9,30.2 15.2,29.9 15.2,26.1 16.4,24.9 16.4,17.5 14.6,15.7 14.6,12.3 16.7,10.2 38.5,10.2 38.6,10.3 v1(38.6,11) ; C129_TH6.2@38.595,11.6 39.095,11.1 43.4,11.1 44.1,11.8 IC38_TH6.5@44.1,13.1 44.1,14.995 R88_TH6.1@43.995,15.1 44.9,15.1 45.423,15.623 45.423,20 C128_TH6.2@44.695,20 42.8,20 42.495,20.305 IC39_TH6.2@42.495,21.1
  Bottom Layer w0.3: CN3.2F_A@6,29.1 7.3,30.4 7.3,32.7 7.5,32.9 9.5,32.9 10.175,33.575 IC31.15@12.125,33.575 ; IC31.9@12.125,25.955 v1@15.255,25.955 ; IC31.10@12.125,27.225 15.075,27.225 15.255,27.045 v1@15.255,25.955 ; v1(15.3,26) v1@15.255,25.955
HEC_GND7: C90.2 C128_TH7.2 C129_TH7.2 CN3.3D_A IC30.9 IC30.10 IC30.15 IC38_TH7.5 IC39_TH7.2 R88_TH7.1 | length 90.3
  Top Layer w0.3: C129_TH7.2@30.595,11.6 30.895,11.3 32.071,11.3 34.424,11.3 35.6,11.3 36.1,11.8 IC38_TH7.5@36.1,13.1 36.1,14.995 R88_TH7.1@35.995,15.1 36.9,15.1 37.423,15.623 37.423,20 ; IC39_TH7.2@34.495,21.1 34.495,22.495 34.595,22.495 34.7,22.6 36.9,22.6 37.423,22.077 37.423,20 ; C128_TH7.2@36.695,20 37.423,20
  MidLayer1 w0.3: CN3.3D_A@3.5,34.1 3.5,33.8 4.4,32.9 15.4,32.9 16.2,32.1 16.2,20.4 ; v1(15.4,20.4) 16.2,20.4 ; 16.9,10.8 15.9,10.8 ; v1(30.6,11) 30.2,11 29.4,11.8 21.2,11.8 20.2,10.8 15.9,10.8 ; 15.9,10.8 15.391,11.309 15.391,15.191 16.2,16 16.2,20.4
  Bottom Layer w0.3: C90.2@10.1,22.55 13.45,22.55 13.7,22.3 13.7,20.6 13.9,20.4 v1(15.4,20.4) ; IC30.9@12.025,15.055 15.255,15.055 v1(15.4,15.2) 15.4,15.9 14.975,16.325 IC30.10@12.025,16.325
HEC_GND8: C94.2 C128_TH8.2 C129_TH8.2 CN3.2D_A IC38_TH8.5 IC39_TH8.2 IC40.9 IC40.10 IC40.15 R88_TH8.1 | length 85.8
  Top Layer w0.3: CN3.2D_A@6,34.1 6,33.8 6.9,32.9 16.3,32.9 17,32.2 17,15.5 15.391,13.891 15.391,12.898 15.4,12.889 15.4,12.7 17.1,11 18.7,11 18.9,10.8 21,10.8 21.2,11 22,11 22.1,10.9 27.2,10.9 28.1,11.8 IC38_TH8.5@28.1,13.1 28.1,14.995 R88_TH8.1@27.995,15.1 28.9,15.1 29.423,15.623 29.423,20 ; IC39_TH8.2@26.495,21.1 26.495,22.395 26.6,22.5 29,22.5 29.423,22.077 29.423,20 ; C128_TH8.2@28.695,20 29.423,20
  Bottom Layer w0.203: C94.2@9.9,11.55 10.025,11.675 IC40.15@12.025,11.675 15.875,11.675 v1(16.2,12) 16.5,11.7 16.5,5.4 ; IC40.9@12.025,4.055 15.755,4.055 16.5,4.8 16.5,5.4 ; IC40.10@12.025,5.325 16.425,5.325 16.5,5.4
HEC_NRE1: IC17.1 IC18.4 | length 16.6
  Top Layer w0.3: IC17.1@20.125,76.3 20.091,76.334 20.091,80.091 20.3,80.3 24,80.3 24.4,80.7 24.4,85.8 24,86.2 v1@23.3,86.2
  Bottom Layer w0.3: IC18.4@21.475,86.135 23.265,86.135 v1(23.3,86.1)
HEC_NRE2: IC17.2 IC26.4 | length 2.2
  Top Layer w0.3: IC17.2@19.475,76.3 19.475,75.525 19.8,75.2 v1(20.8,75.2)
HEC_NRE3: IC17.3 IC25.4 | length 28
  Top Layer w0.203: IC17.3@18.825,76.3 18.825,77.625 v1(19.2,78)
  MidLayer2 w0.203: v1(19.2,78) 19.2,78.4 19.6,78.8 21.3,78.8 21.9,78.2 21.9,72.8 21.5,72.4 19.6,72.4 19.2,72 19.2,67.9 20.6,66.5 20.6,64.9 21.2,64.3 22.5,64.3 23.2,63.6 v1@23.2,63.1
  Bottom Layer w0.203: IC25.4@21.475,64.335 22.865,64.335 23.4,63.8 v1(23.4,63.1)
HEC_NRE4: IC17.4 IC28.4 | length 32.7
  Top Layer w0.203: IC17.4@18.175,76.3 18.175,78.575 v1(18.2,78.6)
  MidLayer2 w0.203: v1(18.2,78.6) 18.2,77.6 18.8,77 18.8,67.619 20.219,66.2 20.219,64.281 22.6,61.9 25.2,61.9 25.8,61.3 25.8,58.7 25.8,53.5 25.4,53.1 v1(25.3,53.1)
HEC_NRE5: IC17.5 IC29.4 | length 43.6
  Top Layer w0.203: v1(17.2,78.6) 17.525,78.275 IC17.5@17.525,76.3
  MidLayer2 w0.203: v1(17.2,78.6) 17.2,77.8 18.419,76.581 18.419,67.461 19.8,66.08 19.8,63.9 22,61.7 22,42.3 22.4,41.9 v1(23,41.9)
  Bottom Layer w0.203: IC29.4@21.275,41.935 22.965,41.935 v1(23,41.9)